# KiCad board bldc_controller.kicad_pcb (continued)
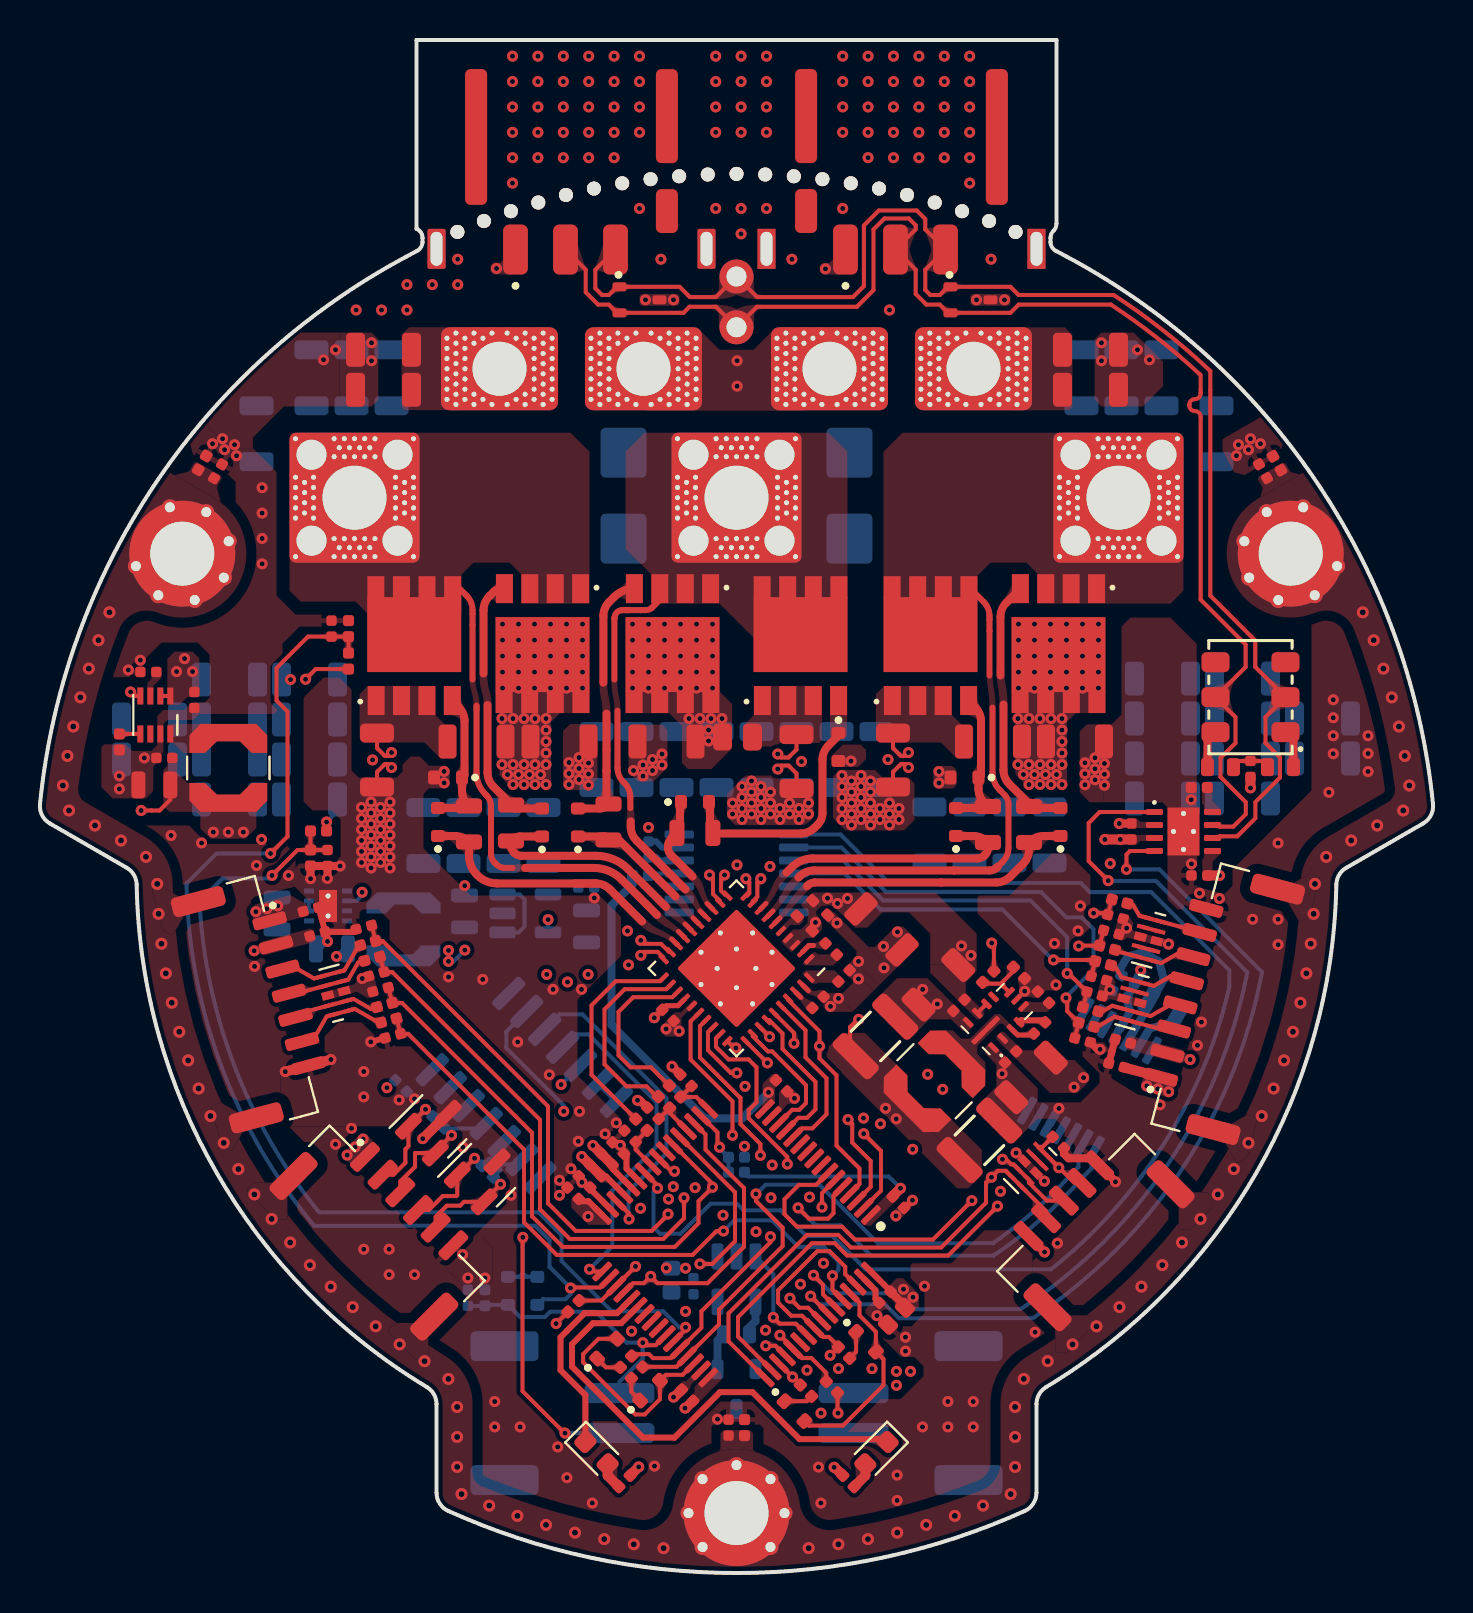
[diagram p0: board, top side]
## Copper pours and planes (outline as drawn; the poured copper is in the pictures) (continued)
GND on Top: 29.52,20.94 29.52,21.14 29.26,21.4 29.26,21.81 29.54,22.09 29.54,22.21 28.94,22.81 28.69,22.81 27.95,22.07 27.95,21.86 29.14,20.67 29.25,20.67
GND on Top: 57.46,33.36 57.7,34.23 57.87,34.33 59.22,33.97 59.33,33.77 59.09,32.87 57.5,33.3
GND on Top: 45.83,39.42 45.65,39.25 44.8,39.25 44.68,39.37 44.68,40.25 44.8,40.37 45.63,40.37 45.83,40.17
GND on Top: 48.85,28.9 48.96,29.01 48.96,29.47 48.9,29.53 48.9,29.79 49.2,30.09 49.29,30.09 50.21,29.17 50.21,29.05 49.93,28.77 49.66,28.77 49.62,28.81 49.12,28.81 49.03,28.72
GND on Top: 4.29,41.46 4.62,41.13 5.85,41.13 5.92,41.07 5.92,40.6 5.66,40.34 5.66,39.12 5.3,38.76 3.63,38.76 3.07,39.32 3.07,41.32 3.21,41.46
GND on Top: 53.97,32.99 54.04,33.03 54.43,32.92 54.67,32.51 54.6,32.27 54.68,32.13 56.28,31.7 56.41,31.77 56.65,31.71 56.73,31.56 56.65,31.24 56.49,31.15 56.25,31.22 56.19,31.31 54.39,31.79 54.12,31.64 53.7,31.75 53.66,31.83
GND on Top: 55.36,28.64 53.85,29.04 53.7,29.3 53.78,29.58 53.63,29.84 53.2,29.95 53.11,29.9 52.8,28.76 52.85,28.69 53.26,28.58 53.51,28.72 55.26,28.25
GND on Top: 51.43,36 52.53,34.9 52.53,32.3 51.43,31.2 50.58,31.2 50.23,30.85 50.23,30.35 51.08,29.5 51.08,29.3 50.93,29.15 50.31,29.15 50.21,29.05 49.23,30.03 49.23,30.65 46.88,33 46.88,33.8 46.98,33.9 48.48,33.9 50.58,36
GND on Top: 20.48,39.43 20.31,39.26 19.46,39.26 19.33,39.38 19.33,40.26 19.46,40.38 20.28,40.38 20.48,40.18
GND on Top: 30.33,62.3 32.88,62.3 33.98,61.2 35.68,61.2 36.78,62.3 38.23,62.3 38.23,58.2 38.18,58.15 30.33,58.15
GND on Top: 42.55,12.8 43,12.35 43.58,12.35 44.23,13 44.23,14.05 43.53,14.75 43.53,15.4 43.63,15.5 45.58,15.5 47.23,17.15 48.53,17.15 49.63,16.05 49.63,14.9 48.83,14.1 48.83,13.6 50.53,11.9 50.53,3.5 47.33,0.3 39.88,0.3 36.18,4 36.18,7.25 36,7.43 36,7.93 36.13,8.05 37.83,6.35 39.68,6.35 42.03,8.7 43.03,8.7 44.18,9.85 44.18,10.35 43.73,10.8 43.08,10.8 42.15,11.73 42.15,12.4
GND on Top: 53.17,38.56 56.12,38.56 56.38,38.3 57.63,38.3 57.84,38.51 57.84,46.49 56.53,47.8 54.53,47.8 54.08,47.35 54.08,42.95 53.17,42.04
GND on Top: 52.74,58.7 52.74,61.72 53.08,62.06 54.69,62.06 56.16,60.59 56.16,59.38 55.14,58.36 53.08,58.36
GND on Top: 46.53,63.9 46.63,64 48.43,64 48.53,63.9 48.53,63.5 48.43,63.4 46.63,63.4 46.53,63.5
GND on Top: 29.98,63.9 30.08,64 31.88,64 31.98,63.9 31.98,63.5 31.88,63.4 30.08,63.4 29.98,63.5
GND on Top: 31.02,27.32 31.02,27.11 31.29,26.84 32.09,26.84 32.24,26.99 32.24,27.22 32.08,27.38 32.08,27.73 31.76,28.05 31.75,28.05
GND on Top: 40.75,30.8 40.83,30.88 40.83,31.13 39.08,32.88 39.4,33.2 39.55,33.2 42.25,30.5 42.25,29.7 41.95,29.4 40.75,30.6
GND on Top: 41.75,40.18 42.13,39.8 43.43,39.8 43.73,39.5 43.73,37.68 43.2,37.15 40.28,37.15 39.65,37.78 39.65,39.85 39.98,40.18
GND on Top: 31.55,27.84 31.76,28.05 32.05,28.05 32.65,28.65 32.74,28.65 32.87,28.52 32.87,28.47 32.49,28.09 32.38,28.09 32.08,27.79 32.08,27.64 31.91,27.47 31.55,27.83
GND on Top: 21.14,16.82 22.1,16.82 22.62,16.3 22.62,14.7 22.21,14.29 21.27,14.29 20.29,15.27 20.29,15.96
GND on Top: 12.23,25.4 12.78,25.4 10.54,33.09 10.54,33.64 10.74,33.84 12.78,34.35 12.78,35.95 12.25,36.48 8.38,36.48 7.45,37.4 4.78,37.4 3.18,35.8 3.18,26.8 7.03,22.95 11.88,22.95 12.58,23.65 12.58,25.05
GND on Top: 39.65,40.32 39.58,40.4 39.58,40.87 40.15,41.45 41.03,41.45 41.3,41.18 41.3,40.73 40.9,40.33
GND on Top, Bottom: 9.43,54.93 9.95,55.07 10.64,56.27 10.52,56.73 8.49,57.91 7.99,57.77 7.43,56.8 7.65,55.96
GND on Top, Bottom: 60.23,54.93 59.71,55.07 59.13,56.15 59.13,56.73 61.17,57.91 61.66,57.77 62.23,56.8 62,55.96
GND on Bottom: 13.26,60.37 17.85,60.37 18.43,60.95 18.43,62.25 17.88,62.8 13.93,62.8 12.78,61.65 12.78,60.85
GND on Bottom: 60.23,54.93 58.24,54.93 57.96,55.21 57.96,56.35 58.34,56.73 59.13,56.73 60.23,55.64
GND on Bottom: 18.43,62.25 18.43,62.7 19.13,63.4 26.68,63.4 27.28,62.8 27.28,61.75 33.13,61.75 33.13,64.25 31.03,66.35 17.48,66.35 13.93,62.8 14.48,62.25
GND on Bottom: 42.38,58.6 42.38,58.25 41.63,57.5 41.63,55.15 39.33,55.15 39.33,57.5 38.63,58.2 38.63,58.6
GND on Bottom: 64.62,46.15 64.17,45.7 64.17,40.15 67.68,36.64 71.01,36.64 71.63,37.26 71.63,45.66 71.14,46.15
GND on Bottom: 44.75,31.46 45.38,32.08 46.7,32.08 50.18,28.6 50.9,28.6 51.47,29.17 51.47,29.21 47.93,32.75 44.38,32.75 44.38,31.83
GND on Bottom: 37.38,6.2 42.53,6.2 42.83,6.5 42.83,7.9 45.23,10.3 47.98,10.3 48.13,10.15 48.13,6 47.88,5.75 44.53,5.75 44.18,5.4 44.18,0.6 43.38,-0.2 39.03,-0.2 36.63,2.2 36.63,5.45
GND on Bottom: 32.35,38.13 32.58,37.9 32.58,32.6 32.43,32.45 29.38,32.45 29.08,32.15 29.08,28 33.73,23.35 34.78,23.35 36.13,24.7 36.78,24.7 37.13,24.35 37.13,23.7 34.98,21.55 34.98,21.25 35.88,20.35 42.88,20.35 43.63,19.6 43.63,19.15 43.18,18.7 42.53,18.7 42.03,19.2 41.18,19.2 40.88,18.9 40.88,18.55 42.58,16.85 48.68,16.85 51.98,20.15 51.98,20.75 50.58,22.15 49.73,22.15 48.98,22.9 48.98,23.05 49.53,23.6 49.53,23.89 44.1,29.32 44.1,30.81 44.99,31.7 44.99,32.24 44.48,32.75 41.83,32.75 40.03,34.55 38.88,34.55 38.73,34.4 38.73,32.95 38.38,32.6 37.33,32.6 37.08,32.85 37.08,37.8 37.63,38.35 32.58,38.35
GND on Bottom: 49.52,29.26 53.34,25.44 53.34,24.41 52.4,23.47 50.81,23.47 50.38,23.04 50.38,22.5 51.63,21.25 53.03,21.25 53.03,20 50.43,17.4 50.43,16.75 51.13,16.05 51.98,16.05 55.73,19.8 57.73,22.3 58.83,24.9 59.63,27.55 59.63,29.3 55.33,33.6 53.78,33.6 53.28,33.1 53.28,31.9 53.68,31.5 55.78,31.5 56.67,30.61 56.67,29.59 56.37,29.26
GND on Bottom: 25.23,10 25.78,10.55 25.78,11.8 26.58,12.6 27.63,12.6 28.68,11.55 28.68,10.5 28.08,9.9 27.23,9.9 26.88,9.55 26.88,6.4 27.13,6.15 30.83,6.15 31.23,6.55 31.23,11.55 31.38,11.7 32.68,11.7 33.13,11.25 33.13,9.3 34.13,8.3 34.13,0.6 32.58,-0.95 27.68,-0.95 25.78,0.95 25.78,5.45 24.93,6.3 19.63,6.3 18.28,7.65 18.28,9 19.28,10
GND on Bottom: 21.28,13.91 22.39,13.91 22.53,14.05 22.53,14.92 22.4,15.05 21.26,15.05 21.13,14.92 21.13,14.06
GND on Bottom: 11.59,30.55 11.18,30.96 11.18,32.45 11.48,32.75 13.76,32.75 13.96,32.95 13.96,33.82 13.83,33.95 13.2,33.95 13.2,34.25 15.6,34.25 15.6,34 15.03,34 14.85,33.82 14.85,32.43 14.15,31.73 14.15,30.68 14.02,30.55
GND on Bottom: 21.38,27.6 25.53,23.45 25.53,22.85 25.88,22.5 26.43,22.5 26.69,22.76 26.69,23.07 26.97,23.35 29.54,23.35 30.43,22.46 30.43,21.6 27.23,18.4 26.28,18.4 21.68,23 21.68,25 20.33,26.35 19.68,26.35 18.98,25.65 17.73,25.65 16.78,24.7 16.78,24.05 17.18,23.65 18.33,23.65 18.58,23.9 18.79,23.69 18.79,22.59 20.08,21.3 20.73,21.3 21.03,21.6 21.23,21.6 21.43,21.4 21.43,21.1 21.18,20.85 21.18,20.25 22.48,18.95 23.23,18.95 23.48,19.2 23.73,19.2 23.93,19 23.93,18.75 23.73,18.55 13.38,18.55 11.43,20.5 10.03,23.15 9.03,25.7 9.03,26.95 9.68,27.6
GND on Bottom: 56.4,60.37 51.81,60.37 51.23,60.95 51.23,62.25 51.78,62.8 55.73,62.8 56.88,61.65 56.88,60.85
GND on Bottom: 23.62,32.7 22.22,32.7 21.57,33.35 20.72,33.35 20.54,33.53 20.54,34.23 20.72,34.4 21.84,34.4 22.02,34.23 22.02,33.88 22.59,33.3 23.62,33.3
GND on Bottom: 27.44,33.93 27.02,33.5 26.27,33.5 26.04,33.28 26.04,33 26.24,32.8 28.04,32.8 28.17,32.93 28.17,34.48 28.07,34.58 27.52,34.58 27.44,34.5
GND on Bottom: 23.18,17.05 23.53,16.7 23.53,15.9 23.08,15.45 22.78,15.45 22.53,15.2 22.53,14.92 21.51,13.9 20.98,13.9 20.58,13.5 20.58,12.05 20.33,11.8 14.93,11.8 12.08,14.65 12.08,15.2 13.93,17.05
GND on Bottom: 59.05,38.98 60.83,37.2 62.48,37.2 64.17,38.89 64.17,40.15 67.43,36.89 67.43,33.55 64.78,30.9 61.08,30.9 56.73,35.25 56.73,36.65
GND on Bottom: 27.28,58.6 27.28,58.25 28.03,57.5 28.03,55.15 30.33,55.15 30.33,57.5 31.03,58.2 31.03,58.6
GND on Bottom: 35.58,10.7 36.43,10.7 37.63,11.9 37.63,12.3 38.33,13 42.03,13 42.73,12.3 43.63,12.3 43.83,12.1 43.83,11.2 43.38,10.75 42.53,10.75 41.73,9.95 38.78,9.95 38.43,9.6 38.43,9.1 36.08,9.1 35.48,9.7 35.48,10.6
GND on Bottom: 9.43,54.93 11.42,54.93 11.7,55.21 11.7,56.35 11.32,56.73 10.52,56.73 9.43,55.64
GND on Bottom: 5.04,46.15 5.49,45.7 5.49,40.15 1.98,36.64 -1.35,36.64 -1.97,37.26 -1.97,45.66 -1.48,46.15
GND on Bottom: 34.53,15.95 34.53,15.2 34.28,14.95 32.98,14.95 32.28,15.65 31.23,15.65 31.13,15.55 31.13,14.9 31.28,14.75 32.08,14.75 32.38,14.45 34.93,14.45 35.13,14.65 35.13,15.9 35.08,15.95
GND on Bottom: 30.17,36.63 30.17,37.05 30.11,37.11 29.37,37.11 29.37,37.71 29.46,37.79 30.75,37.79 30.91,37.63 30.91,37.41 30.69,37.19 30.69,36.63
GND on Bottom: 57.03,45.5 57.13,45.6 59.08,45.6 59.23,45.45 59.23,36.05 58.38,35.2 56.78,35.2 56.13,35.85 53.33,35.85 52.28,34.8 42.73,34.8 40.13,37.4 29.78,37.4 27.28,34.9 13.33,34.9 10.38,37.85 10.38,45.45 10.48,45.55 12.48,45.55 12.58,45.45 12.58,38.4 14.08,36.9 15.58,36.9 15.78,37.1 15.78,38.6 16.08,38.9 17.58,38.9 17.78,38.7 17.78,37.3 18.18,36.9 26.08,36.9 26.63,37.45 26.63,38.65 26.08,39.2 26.08,40.6 26.53,41.05 42.58,41.05 42.98,40.65 42.98,37.2 43.28,36.9 51.63,36.9 51.98,37.25 51.98,41.1 52.48,41.6 53.23,41.6 53.53,41.3 53.53,37.55 53.83,37.25 55.68,37.25 57.03,38.6
GND on Bottom: 26.69,23.74 26.69,23.07 28.65,21.11 29.08,21.11 30.43,22.46 30.43,23.4 28.45,25.37 28.31,25.37
GND on Bottom: 56.99,28.54 58.42,27.71 58.51,27.37 58.08,26.64 57.74,26.54 56.31,27.37
GND on Bottom: 51.23,62.25 51.23,62.7 50.53,63.4 42.98,63.4 42.38,62.8 42.38,61.75 36.53,61.75 36.53,64.25 38.63,66.35 52.18,66.35 55.73,62.8 55.18,62.25
GND on Bottom: 18.29,24.41 18.46,24.41 19.02,23.85 19.02,23.61 18.79,23.38 17.87,23.38 17.68,23.57 17.68,23.81 17.69,23.81
GND on Bottom, In2.Cu, In3.Cu: 23.88,66.1 18.28,66.1 17.68,66.7 17.68,76.65 18.53,77.5 50.88,77.5 51.58,76.8 51.58,66.55 51.03,66 45.58,66 42.38,62.8 42.38,61.65 28.33,61.65
GND on Bottom, In2.Cu, In3.Cu: 27.28,58.2 42.08,58.2 42.08,62.85 27.28,62.85
GND on In1.Cu, In2.Cu, In3.Cu, In4.Cu: 13.65,38.63 14.75,38.63 15.23,38.15 15.23,37.15 14.8,36.73 13.8,36.73 13.38,37.15 13.38,38.35
GND on In1.Cu, In4.Cu: 15.93,79.7 51.93,79.7 73.43,58.2 73.43,19.2 51.43,-2.8 17.93,-2.8 -3.07,18.2 -3.07,60.7
GND on In2.Cu: 18.58,49.85 19.03,49.4 19.03,43.65 18.63,43.25 17.83,43.25 15.33,45.75 13.28,45.75 10.28,48.75 10.28,49.05 11.08,49.85
GND on In2.Cu: 36.18,39.95 36.78,39.35 38.98,39.35 39.83,40.2 41.58,40.2 43.23,38.55 43.23,37.8 42.58,37.15 34.93,37.15 34.33,37.75 34.33,38.9 35.38,39.95
GND on In2.Cu: 54.68,49.95 54.13,49.4 54.13,43.84 53.43,43.14 52.42,43.14 52.01,42.73 52.01,38.83 51.38,38.2 45.38,38.2 44.9,37.72 44.9,36.6 44.06,35.76 36.99,35.76 36.63,35.4 36.63,34.45 36.36,34.18 33.3,34.18 32.88,34.6 32.88,35.25 32.12,36.01 32.12,39.18 32.84,39.9 33.48,39.9 34.18,40.6 34.18,41 33.93,41.25 26.57,41.25 26.2,40.88 26.2,38.86 25.51,38.17 20.25,38.17 20.13,38.05 20.13,37.35 24.23,33.25 25.68,33.25 26.78,32.15 30.28,32.15 30.78,31.65 30.78,30.55 32.78,28.55 32.78,24.65 33.73,23.7 33.73,22.4 29.83,18.5 28.68,18.5 26.68,20.5 26.43,20.5 25.63,19.7 25.63,17 24.78,16.15 23.68,16.15 22.83,17 22.83,19.8 26.03,23 26.03,27.35 24.13,29.25 24.13,29.85 23.33,30.65 22.38,30.65 17.78,35.25 17.78,39.2 16.88,40.1 16.88,42.43 15.11,44.2 12.93,44.2 12.73,44 12.73,26.25 18.28,20.7 18.28,17 24.98,10.3 28.13,10.3 31.49,13.66 32.59,13.66 32.92,13.33 32.92,11.2 35.81,8.31 40.73,8.31 41.93,9.51 41.93,14.8 43.18,16.05 43.23,16.05 43.53,16.35 43.53,19.85 41.28,22.1 41.28,23.4 41.83,23.95 42.83,23.95 46.18,20.6 46.18,19.8 46.43,19.55 46.48,19.55 48.43,21.5 50.53,21.5 51.33,20.7 52.03,20.7 54.58,23.25 54.58,35.2 53.98,35.8 53.04,35.8 52.54,36.3 52.54,37.17 52.9,37.53 55.42,37.53 56.91,36.04 56.91,28.31 61.57,23.65 65.83,23.65 71.53,29.35 71.53,47.1 68.68,49.95
GND on In2.Cu, In3.Cu: 12.88,49.85 12.43,49.85 11.83,50.45 11.83,57.4 12.58,58.15 17.68,58.15 19.13,59.6 19.13,62.3 20.08,63.25 26.83,63.25 27.28,62.8 27.93,62.8 28.98,63.85 26.03,66.8 14.33,66.8 3.18,55.65 3.18,48.75 5.43,46.5 9.53,46.5
GND on In2.Cu, In3.Cu: 56.78,49.85 57.23,49.85 57.83,50.45 57.83,57.4 57.08,58.15 51.98,58.15 50.53,59.6 50.53,62.3 49.58,63.25 42.83,63.25 42.38,62.8 41.73,62.8 40.68,63.85 43.63,66.8 55.33,66.8 66.48,55.65 66.48,48.75 64.23,46.5 60.13,46.5
GND on In3.Cu: 54.97,36.71 56.17,35.51 57.82,35.51 59.03,36.72 59.03,36.81 58.79,37.05 55.31,37.05
GND on In3.Cu: 2.38,49.85 18.18,49.85 19.29,48.78 19.29,38.91 19.96,38.24 25.56,38.24 26.18,38.86 26.18,40.95 26.47,41.24 44.24,41.24 45.23,40.25 45.23,37.05 43.03,34.85 38.98,34.85 38.34,34.21 38.34,32.94 39.03,32.25 44.48,32.25 48.63,36.4 48.63,37.85 49.03,38.25 51.39,38.25 51.98,38.84 51.98,42.7 52.37,43.09 53.32,43.09 54.18,43.95 54.18,49.2 54.83,49.85 68.03,49.85 71.18,46.7 71.18,38.85 69.01,36.68 50.94,36.68 46.85,32.59 46.85,29.79 41.43,24.37 41.43,22.65 41.33,22.55 40.98,22.55 40.88,22.65 40.88,23 38.78,25.1 38.78,25.5 39.53,26.25 39.58,26.25 39.58,26.7 38.88,27.4 35.03,27.4 33.33,25.7 33.33,22.45 29.68,18.8 28.68,18.8 28.18,19.3 26.78,19.3 25.58,18.1 25.58,17.1 24.83,16.35 23.58,16.35 22.88,17.05 22.88,19.7 25.73,22.55 26.33,22.55 26.73,22.95 26.73,24.7 26.48,24.95 25.78,24.95 25.43,24.6 25.43,24.3 22.43,21.3 22.1,21.3 22.01,21.39 22.01,31.08 18.53,34.56 15.85,34.56 15.53,34.23 15.52,33.17 14.67,32.32 2.41,32.32 -0.97,35.7 -0.97,46.75
/Project Architecture/Interface - Fan Control/FAN_SW on Bottom: 34.83,8.7 36.53,8.7 37.73,7.5 39.4,7.5 39.53,7.38 39.53,6.5 35.85,6.5 34.53,7.83 34.53,8.4
/Project Architecture/Motor Control - Top Level/CPL on Top: 38.75,31.1 38.9,30.95 39.5,30.95 39.65,31.1 40,30.75 40,30.73 39.68,30.4 38.23,30.4 38.13,30.5 38.73,31.1
/Project Architecture/Motor Control - Top Level/GHA on Top: 38.21,34.5 37.98,34.27 37.8,34.06 37.66,33.88 37.55,33.72 37.34,33.41 37.22,33.24 37.08,33.06 36.9,32.86 36.67,32.62 36.66,32.61 36.71,32.49 36.83,32.43 37.08,32.68 37.27,32.87 37.42,33.04 37.55,33.19 37.79,33.47 37.92,33.62 38.08,33.79 38.26,33.99 38.5,34.22 38.64,34.36 38.52,34.53 38.38,34.65
/Project Architecture/Motor Control - Top Level/GHB on Top: 32.99,32.62 32.82,32.79 32.7,32.94 32.6,33.07 32.52,33.19 32.38,33.42 32.3,33.54 32.21,33.67 32.08,33.82 31.92,33.99 31.9,34.01 31.71,33.92 31.61,33.73 31.8,33.54 31.93,33.4 32.04,33.28 32.14,33.17 32.31,32.98 32.4,32.87 32.51,32.75 32.65,32.61 32.81,32.44 32.9,32.35 33,32.43 33.08,32.53
/Project Architecture/Motor Control - Top Level/GHC on Top: 31.16,33.18 31.32,33.03 31.45,32.91 31.57,32.81 31.68,32.73 31.89,32.59 31.99,32.51 32.11,32.42 32.25,32.3 32.42,32.13 32.54,32.19 32.6,32.31 31.3,33.61 31.14,33.49 31.02,33.33
/Project Architecture/Motor Control - Top Level/GLA on Top: 37.19,35.19 36.98,34.97 36.84,34.77 36.73,34.59 36.65,34.43 36.51,34.11 36.43,33.94 36.32,33.76 36.17,33.56 35.97,33.34 35.96,33.33 36.01,33.21 36.13,33.15 36.15,33.17 36.35,33.38 36.51,33.57 36.63,33.74 36.72,33.89 36.89,34.18 36.99,34.34 37.11,34.5 37.27,34.69 37.47,34.91 37.61,35.05 37.49,35.21 37.33,35.33
/Project Architecture/Motor Control - Top Level/GLB on Top: 32.49,34.71 32.66,34.52 32.78,34.36 32.87,34.21 32.94,34.07 33.05,33.8 33.12,33.67 33.21,33.52 33.34,33.35 33.51,33.17 33.52,33.15 33.64,33.21 33.7,33.33 33.69,33.34 33.52,33.53 33.4,33.71 33.32,33.87 33.27,34.02 33.19,34.32 33.13,34.47 33.06,34.63 32.94,34.8 32.77,34.99 32.63,35.13 32.47,35.01 32.34,34.85
/Project Architecture/Motor Control - Top Level/GLC on Top: 29.96,32.46 30.17,32.27 30.36,32.14 30.53,32.04 30.69,31.98 31,31.87 31.17,31.81 31.34,31.71 31.53,31.58 31.73,31.39 31.75,31.38 31.87,31.44 31.92,31.56 31.91,31.57 31.71,31.76 31.53,31.9 31.37,32 31.22,32.09 30.93,32.23 30.79,32.31 30.62,32.41 30.45,32.55 30.24,32.74 30.1,32.88 29.94,32.76 29.82,32.6
/Project Architecture/Motor Control - Top Level/Motor Control - Inverter/FET_GHA on Top: 48.38,43.45 48.37,43.69 48.36,43.89 48.34,44.06 48.32,44.21 48.28,44.48 48.26,44.63 48.24,44.8 48.23,45 48.22,45.25 48.22,45.27 48.03,45.34 47.83,45.27 47.83,45.25 47.84,45 47.85,44.8 47.86,44.63 47.88,44.48 47.93,44.21 47.95,44.06 47.96,43.89 47.97,43.69 47.98,43.45 47.98,43.25 48.18,43.22 48.38,43.25
/Project Architecture/Motor Control - Top Level/Motor Control - Inverter/FET_GHB on Top: 27.98,44.53 27.98,44.32 27.99,44.15 28.01,44 28.03,43.88 28.07,43.65 28.1,43.52 28.11,43.38 28.12,43.21 28.13,43 28.13,42.97 28.33,42.9 28.53,42.97 28.53,43 28.52,43.21 28.51,43.38 28.49,43.52 28.47,43.65 28.42,43.88 28.4,44 28.38,44.15 28.37,44.32 28.37,44.53 28.37,44.72 28.17,44.75 27.98,44.72
/Project Architecture/Motor Control - Top Level/Motor Control - Inverter/FET_GHC on Top: 21.98,44.85 21.99,44.65 22,44.49 22.03,44.36 22.05,44.24 22.11,44.03 22.14,43.91 22.16,43.78 22.17,43.62 22.18,43.43 22.18,43.4 22.38,43.33 22.58,43.4 22.58,43.43 22.57,43.62 22.56,43.78 22.53,43.92 22.51,44.03 22.45,44.24 22.42,44.36 22.39,44.49 22.38,44.65 22.37,44.85 22.37,45.04 22.18,45.07 21.98,45.04
/Project Architecture/Motor Control - Top Level/Motor Control - Inverter/FET_GHC on Bottom: 21.8,38 21.8,38.75 19.7,38.75 19.6,38.65 19.6,38.1 19.7,38
/Project Architecture/Motor Control - Top Level/Motor Control - Inverter/FET_GLB on Top: 39.5,44.38 39.5,41.9 39.68,41.73 40.18,41.73 40.35,41.9 40.35,44.38
/Project Architecture/Motor Control - Top Level/Motor Control - Inverter/PHA on Top: 42.18,48.7 42.18,56.1 43.13,57.05 56.58,57.05 57.18,56.45 57.18,49.15 56.53,48.5 49.88,48.5 49.88,50 49.33,50.55 47.53,50.55 46.88,49.9 46.88,48.7
/Project Architecture/Motor Control - Top Level/Motor Control - Inverter/PHB on Top: 40.38,56.1 39.43,57.05 30.23,57.05 29.28,56.1 29.28,51.25 30.58,49.95 30.58,48.5 33.98,48.5 35.73,46.75 40.38,46.75
/Project Architecture/Motor Control - Top Level/Motor Control - Inverter/PHC on Top: 27.48,48.5 27.48,56.1 26.53,57.05 13.08,57.05 12.48,56.45 12.48,49.15 13.03,48.6 15.78,48.6 16.38,48 21.08,48 21.08,49.95 21.68,50.55 23.48,50.55 24.08,49.95 24.08,48.5
/Project Architecture/Motor Control - Top Level/Motor Control - Inverter/SRC_LS_A on Top: 41.8,41.8 41.8,43.98 42.2,44.38 45.58,44.38 45.58,42.95 46.08,42.45 46.08,40.75 45.85,40.75 45.05,41.55 42.05,41.55
/Project Architecture/Motor Control - Top Level/Motor Control - Inverter/SRC_LS_B on Top: 35.7,44.38 39.1,44.38 39.1,41.68 38.95,41.53 36.98,41.53 36.78,41.35 35.15,41.35 35.15,42.38 35.7,42.93
/Project Architecture/Motor Control - Top Level/Motor Control - Inverter/SRC_LS_C on Top: 15.98,41.8 15.98,43.98 16.38,44.38 19.75,44.38 19.75,42.95 20.25,42.45 20.25,40.75 20.03,40.75 19.23,41.55 16.23,41.55
/Project Architecture/Motor Control - Top Level/SHA on Top: 37.79,34.94 37.56,34.7 37.38,34.49 37.25,34.3 37.15,34.12 36.96,33.79 36.86,33.61 36.72,33.42 36.55,33.21 36.32,32.97 36.31,32.96 36.36,32.84 36.48,32.78 36.5,32.79 36.73,33.03 36.91,33.24 37.05,33.41 37.18,33.57 37.39,33.88 37.51,34.04 37.66,34.22 37.84,34.42 38.07,34.66 38.21,34.8 38.09,34.96 37.94,35.07
/Project Architecture/Motor Control - Top Level/SHB on Top: 32.13,34.06 32.29,33.9 32.41,33.76 32.5,33.64 32.58,33.53 32.71,33.32 32.79,33.21 32.89,33.09 33.01,32.95 33.17,32.78 33.29,32.84 33.35,32.96 33.34,32.97 33.18,33.13 33.07,33.28 32.99,33.41 32.93,33.54 32.82,33.77 32.76,33.9 32.68,34.03 32.57,34.18 32.42,34.34 32.27,34.48 32.11,34.36 31.99,34.2
/Project Architecture/Motor Control - Top Level/SHC on Top: 32.26,31.94 32.1,32.1 31.96,32.23 31.84,32.34 31.73,32.42 31.53,32.58 31.42,32.67 31.3,32.78 31.16,32.91 30.97,33.09 30.78,33 30.69,32.8 30.71,32.78 30.88,32.62 31.03,32.5 31.16,32.41 31.28,32.34 31.51,32.21 31.64,32.14 31.77,32.05 31.92,31.93 32.08,31.77 32.17,31.68 32.27,31.75 32.35,31.85
/Project Architecture/Motor Control - Top Level/VCP on Top: 37.15,32.4 37.85,33.1 38,33.1 38.33,32.78 38.33,32.68 38.08,32.43 37.53,32.43 37.33,32.23
/Project Architecture/Motor Control - Top Level/VGLS on Top: 38.83,29.48 38.88,29.53 39.7,29.53 40.03,29.85 39.73,30.15 38.28,30.15 38.12,29.99 38.63,29.48
/Project Architecture/Power - Generation/ADJ_A3V3 on Bottom: 25.87,34.25 26.19,34.58 27.02,34.58 27.02,34.03 26.39,34.03 26.02,33.65 25.87,33.65
/Project Architecture/Power - Generation/LX_5V on Top: 6.37,42.43 6.42,42.48 8.17,42.48 8.17,41.03 7.17,41.03 6.67,41.53 6.37,41.53
/Project Architecture/Power - Generation/SW_3V3 on Bottom: 15.1,33 16.88,33 17.08,33.2 17.08,33.93 16.95,34.05 16.7,34.05 15.9,33.25 15.1,33.25
/Project Architecture/Power - Generation/SW_12V on Top: 48.71,26.92 48.14,27.48 47.96,27.48 46.87,26.39 46.87,25.96 47.28,25.56 47.28,25.17 47.13,25.03 45.15,27.01 45.3,27.15 45.65,27.15 46.06,26.74 46.52,26.74 47.74,27.96 48.02,27.96 48.88,27.09
CHASSIS on Top: 12.61,20.49 11.66,19.54 10.72,19.54 10.38,19.2 10.38,19.1 11.78,17.69 12.32,17.69 12.37,17.74 12.37,18.84 13.31,19.79 13.31,19.79
CHASSIS on Top: 58.25,22.81 59.54,22.46 60.36,22.93 60.82,22.81 60.87,22.72 60.36,20.8 59.89,20.53 59.82,20.55 59.27,21.5 57.99,21.85 57.99,21.85
CHASSIS on Top: 8.23,34.2 6.94,33.85 6.12,34.32 5.66,34.2 5.61,34.11 6.12,32.19 6.59,31.92 6.66,31.94 7.21,32.89 8.49,33.24 8.49,33.24
CHASSIS on Top: 50.53,13.85 51.48,12.9 52.42,12.9 52.76,12.56 52.76,12.46 51.35,11.05 50.81,11.05 50.76,11.1 50.76,12.2 49.83,13.15 49.83,13.15
CHASSIS on Top: 19.65,13.46 18.7,12.51 17.76,12.51 17.42,12.17 17.42,12.07 18.82,10.66 19.36,10.66 19.41,10.71 19.41,11.81 20.35,12.76 20.35,12.76
CHASSIS on Top: 61.37,34.87 62.67,34.52 63.49,34.99 63.95,34.86 64,34.77 63.49,32.85 63.02,32.58 62.95,32.6 62.4,33.56 61.12,33.91 61.12,33.91
CHASSIS on Top: 56.7,20 57.65,19.05 58.38,19.05 58.65,18.78 58.65,18.33 57.53,17.2 56.99,17.2 56.94,17.25 56.94,18.33 56,19.28 56,19.3
CHASSIS on Top: 60.95,53.53 61.15,54.28 60.9,54.72 60.94,54.85 62.15,55.55 62.28,55.52 62.53,55.08 63.29,54.88
CHASSIS on Top: 11.18,23.4 9.89,23.05 9.07,23.52 8.61,23.4 8.56,23.31 9.07,21.39 9.54,21.12 9.61,21.14 10.16,22.09 11.44,22.44 11.44,22.44
CHASSIS on Top: 6.71,54.92 7.46,55.12 7.71,55.55 7.84,55.59 9.06,54.89 9.09,54.75 8.84,54.32 9.04,53.57
CHASSIS on Top: 35.5,7.15 34.18,7.15 34.03,7 34.03,6.2 33.78,5.95 35.88,5.95 35.65,6.18 35.65,7
CHASSIS on Top, Bottom, In1.Cu, In2.Cu, In3.Cu, In4.Cu: 69.37,38.34 69.36,38.29 69.35,38.24 69.34,38.19 69.33,38.14 69.31,38.1 69.29,38.05 69.27,38.01 69.24,37.97 69.21,37.93 69.17,37.89 69.14,37.85 69.1,37.82 69.06,37.79 69.02,37.76 65.18,35.55 64.53,34.45 64.43,32.54 64.22,30.66 63.88,28.81 63.43,26.99 62.87,25.21 62.21,23.48 61.43,21.79 60.55,20.15 59.58,18.58 58.5,17.06 57.33,15.62 56.07,14.24 54.72,12.94 53.28,11.73 51.76,10.6 50.16,9.57 49.74,9.16 49.7,9.09 49.66,9.02 49.53,8.45 49.53,4.02 49.53,3.97 49.53,3.92 49.52,3.87 49.5,3.82 49.49,3.77 49.47,3.73 49.45,3.68 49.42,3.64 49.39,3.6 49.36,3.56 49.33,3.52 49.29,3.49 49.25,3.46 49.21,3.43 49.17,3.4 49.12,3.38 47.4,2.66 45.66,2.03 43.89,1.51 42.1,1.07 40.3,0.74 38.48,0.5 36.66,0.35 34.83,0.3 33.01,0.35 31.18,0.5 29.37,0.74 27.57,1.07 25.78,1.51 24.01,2.03 22.26,2.66 20.55,3.38 20.13,4.02 20.13,8.45 20.13,8.54 20.12,8.62 20.11,8.7 20.09,8.78 20.07,8.86 20.04,8.94 20,9.02 19.97,9.09 19.92,9.16 19.88,9.23 19.82,9.29 19.77,9.36 19.71,9.41 19.64,9.47 19.58,9.52 19.5,9.57 18.69,10.07 17.9,10.6 17.13,11.15 16.38,11.73 15.65,12.33 14.95,12.94 14.26,13.58 13.6,14.24 12.33,15.62 11.17,17.06 10.09,18.58 9.11,20.15 8.24,21.79 7.46,23.48 6.79,25.21 6.23,26.99 6,27.9 5.79,28.81 5.6,29.73 5.45,30.66 5.33,31.6 5.24,32.54 5.17,33.49 5.14,34.45 5.13,34.53 5.12,34.62 5.11,34.7 5.09,34.78 5.06,34.86 5.03,34.94 5,35.01 4.96,35.08 4.91,35.15 4.87,35.22 4.81,35.28 4.76,35.34 4.69,35.4 4.63,35.45 4.56,35.5 4.49,35.55 0.65,37.76 0.3,38.44 0.43,39.56 0.6,40.67 0.8,41.77 1.04,42.87 1.31,43.95 1.61,45.03 1.95,46.1 2.33,47.15 2.74,48.19 3.18,49.22 3.65,50.23 4.16,51.23 4.7,52.21 5.27,53.17 5.88,54.12 6.51,55.05 8.72,53.77 8.85,53.69 8.98,53.61 9.11,53.51 9.22,53.42 9.34,53.31 9.44,53.21 9.54,53.1 9.64,52.98 9.73,52.86 9.81,52.74 9.89,52.61 9.96,52.48 10.02,52.35 10.08,52.21 10.14,52.08 10.18,51.94 10.22,51.8 10.25,51.65 10.28,51.51 10.3,51.36 10.31,51.21 10.32,51.07 10.32,50.92 10.31,50.77 10.3,50.62 10.28,50.47 10.25,50.32 10.21,50.18 10.17,50.03 10.12,49.88 10.06,49.74 10,49.6 9.92,49.46 9.84,49.32 9.76,49.19 9.67,49.07 9.58,48.95 9.48,48.84 9.37,48.73 9.27,48.63 9.15,48.53 9.04,48.44 8.91,48.35 8.79,48.27 8.66,48.2 8.53,48.13 8.4,48.07 8.26,48.01 8.12,47.96 7.98,47.92 7.84,47.89 7.7,47.86 7.55,47.83 7.4,47.82 7.26,47.81 7.11,47.8 6.96,47.81 6.81,47.82 6.66,47.84 6.51,47.86 6.36,47.9 6.21,47.94 6.06,47.98 5.85,48.07 5.77,48.09 5.7,48.11 5.63,48.12 5.56,48.14 5.48,48.14 5.41,48.15 5.34,48.15 5.26,48.15 5.19,48.14 5.12,48.13 5.04,48.12 4.97,48.1 4.9,48.08 4.83,48.06 4.76,48.03 4.69,48 4.63,47.96 4.56,47.93 4.5,47.89 4.44,47.84 4.38,47.8 4.33,47.75 4.28,47.7 4.23,47.64 4.18,47.58 4.13,47.53 4.09,47.46 4.05,47.4 4.02,47.34 3.98,47.27 3.96,47.2 3.59,46.24 3.26,45.28 2.96,44.3 2.69,43.31 2.45,42.32 2.24,41.32 2.06,40.31 1.91,39.3 1.91,39.25 1.91,39.19 1.91,39.13 1.92,39.08 1.93,39.03 1.94,38.97 1.96,38.92 1.98,38.87 2.01,38.82 2.04,38.78 2.07,38.73 2.11,38.69 2.15,38.65 2.19,38.62 2.23,38.59 2.28,38.56 5.24,36.85 5.32,36.8 5.39,36.75 5.47,36.7 5.54,36.65 5.61,36.59 5.68,36.53 5.75,36.47 5.81,36.41 5.88,36.34 5.94,36.28 5.99,36.21 6.05,36.14 6.1,36.07 6.16,36 6.2,35.92 6.25,35.85 6.29,35.77 6.34,35.69 6.38,35.61 6.41,35.53 6.45,35.45 6.48,35.36 6.51,35.28 6.53,35.19 6.56,35.1 6.58,35.02 6.59,34.93 6.61,34.84 6.62,34.75 6.63,34.66 6.64,34.57 6.64,34.48 6.73,32.67 6.94,30.88 7.25,29.12 7.68,27.4 8.21,25.71 8.84,24.06 9.58,22.46 10.41,20.9 11.34,19.41 12.36,17.97 13.47,16.59 14.67,15.29 15.95,14.06 17.32,12.9 18.76,11.83 20.28,10.85 20.36,10.8 20.43,10.75 20.51,10.7 20.58,10.64 20.65,10.58 20.72,10.52 20.78,10.46 20.85,10.4 20.91,10.33 20.97,10.27 21.02,10.2 21.08,10.13 21.13,10.05 21.18,9.98 21.27,9.83 21.35,9.67 21.39,9.59 21.43,9.51 21.46,9.42 21.49,9.34 21.52,9.26 21.54,9.17 21.56,9.08 21.58,8.99 21.6,8.91 21.61,8.82 21.62,8.73 21.63,8.63 21.63,8.54 21.63,8.45 21.63,5.04 21.64,4.98 21.64,4.92 21.65,4.87 21.67,4.82 21.68,4.77 21.71,4.72 21.73,4.67 21.76,4.62 21.79,4.58 21.83,4.53 21.86,4.5 21.91,4.46 21.95,4.43 22,4.39 22.04,4.37 22.1,4.34 23.05,3.97 24.01,3.62 24.98,3.3 25.96,3.01 26.95,2.75 27.94,2.53 28.95,2.33 29.96,2.16 30.03,2.15 30.11,2.15 30.18,2.15 30.25,2.15 30.33,2.15 30.4,2.16 30.47,2.18 30.55,2.19 30.62,2.21 30.69,2.24 30.76,2.26 30.82,2.29 30.89,2.33 30.95,2.36 31.02,2.4 31.08,2.45 31.14,2.49 31.19,2.54 31.25,2.59 31.3,2.65 31.34,2.7 31.39,2.76 31.43,2.82 31.47,2.89 31.51,2.95 31.54,3.02 31.57,3.08 31.59,3.15 31.62,3.22 31.64,3.29 31.65,3.37 31.69,3.59 31.72,3.73 31.75,3.88 31.8,4.01 31.85,4.15 31.9,4.28 31.96,4.41 32.03,4.54 32.1,4.66 32.17,4.78 32.26,4.9 32.34,5.01 32.43,5.12 32.53,5.22 32.63,5.32 32.73,5.42 32.84,5.51 32.95,5.59 33.07,5.67 33.19,5.75 33.31,5.82 33.43,5.88 33.56,5.94 33.7,5.99 33.83,6.04 33.97,6.08 34.11,6.12 34.25,6.15 34.39,6.17 34.54,6.19 34.68,6.2 34.83,6.2 34.98,6.2 35.13,6.19 35.28,6.17 35.42,6.15 35.56,6.12 35.7,6.08 35.84,6.04 35.97,5.99 36.1,5.94 36.23,5.88 36.36,5.82 36.48,5.75 36.6,5.67 36.72,5.59 36.83,5.51 36.94,5.42 37.04,5.32 37.14,5.22 37.23,5.12 37.33,5.01 37.41,4.9 37.49,4.78 37.57,4.66 37.64,4.54 37.71,4.41 37.77,4.28 37.82,4.15 37.87,4.01 37.91,3.88 37.95,3.73 37.98,3.59 38.02,3.37 38.03,3.29 38.05,3.22 38.07,3.15 38.1,3.08 38.13,3.02 38.16,2.95 38.2,2.89 38.24,2.82 38.28,2.76 38.32,2.7 38.37,2.65 38.42,2.59 38.48,2.54 38.53,2.49 38.59,2.45 38.65,2.4 38.71,2.36 38.78,2.33 38.84,2.29 38.91,2.26 38.98,2.24 39.05,2.21 39.12,2.19 39.19,2.18 39.27,2.16 39.34,2.15 39.41,2.15 39.49,2.15 39.56,2.15 39.64,2.15 39.71,2.16 40.66,2.32 41.59,2.5 42.53,2.71 43.46,2.94 44.38,3.2 45.29,3.49 46.19,3.81 47.09,4.15 47.14,4.17 47.19,4.19 47.24,4.22 47.29,4.25 47.34,4.28 47.39,4.31 47.43,4.34 47.48,4.37 47.52,4.41 47.56,4.45 47.6,4.49 47.64,4.53 47.67,4.57 47.71,4.61 47.74,4.65 47.77,4.7 47.8,4.75 47.83,4.79 47.86,4.84 47.88,4.89 47.91,4.94 47.93,4.99 47.95,5.04 47.97,5.1 47.98,5.15 48,5.2 48.01,5.26 48.02,5.31 48.02,5.37 48.03,5.43 48.03,5.48 48.03,5.54 48.03,8.45 48.04,8.63 48.06,8.82 48.09,8.99 48.13,9.17 48.18,9.34 48.24,9.51 48.31,9.67 48.4,9.83 48.49,9.98 48.59,10.13 48.7,10.27 48.82,10.4 48.95,10.52 49.09,10.64 49.23,10.75 49.39,10.85 50.16,11.33 50.91,11.83 51.64,12.36 52.35,12.9 53.04,13.47 53.72,14.06 54.37,14.66 55,15.29 56.2,16.59 57.31,17.97 58.33,19.41 59.26,20.9 60.09,22.46 60.82,24.06 61.46,25.71 61.99,27.4 62.22,28.26 62.41,29.12 62.59,30 62.73,30.88 62.85,31.77 62.94,32.67 63,33.57 63.03,34.48 63.04,34.66 63.06,34.84 63.09,35.02 63.14,35.19 63.19,35.36 63.26,35.53 63.33,35.69 63.42,35.85 63.51,36 63.62,36.14 63.73,36.28 63.85,36.41 63.99,36.53 64.12,36.65 64.27,36.75 64.43,36.85 67.39,38.56 67.75,39.3 67.61,40.31 67.43,41.32 67.22,42.32 66.98,43.31 66.71,44.3 66.4,45.28 66.07,46.24 65.71,47.2 65.68,47.27 65.65,47.34 65.61,47.4 65.58,47.46 65.53,47.53 65.49,47.58 65.44,47.64 65.39,47.7 65.34,47.75 65.28,47.8 65.23,47.84 65.17,47.89 65.11,47.93 65.04,47.96 64.97,48 64.91,48.03 64.84,48.06 64.77,48.08 64.7,48.1 64.62,48.12 64.55,48.13 64.48,48.14 64.4,48.15 64.33,48.15 64.26,48.15 64.18,48.14 64.11,48.14 64.04,48.12 63.96,48.11 63.89,48.09 63.82,48.07 63.61,47.98 63.46,47.94 63.31,47.9 63.16,47.86 63.01,47.84 62.86,47.82 62.71,47.81 62.56,47.8 62.41,47.81 62.26,47.82 62.12,47.83 61.97,47.86 61.83,47.89 61.68,47.92 61.54,47.96 61.4,48.01 61.27,48.07 61.14,48.13 61,48.2 60.88,48.27 60.75,48.35 60.63,48.44 60.51,48.53 60.4,48.63 60.29,48.73 60.19,48.84 60.09,48.95 60,49.07 59.91,49.19 59.82,49.32 59.74,49.46 59.67,49.6 59.61,49.74 59.55,49.88 59.5,50.03 59.45,50.18 59.42,50.32 59.39,50.47 59.37,50.62 59.35,50.77 59.35,50.92 59.35,51.07 59.35,51.21 59.37,51.36 59.39,51.51 59.41,51.65 59.45,51.8 59.49,51.94 59.53,52.08 59.58,52.21 59.64,52.35 59.71,52.48 59.78,52.61 59.86,52.74 59.94,52.86 60.03,52.98 60.12,53.1 60.22,53.21 60.33,53.31 60.44,53.42 60.56,53.51 60.68,53.61 60.81,53.69 60.95,53.77 63.16,55.05 63.79,54.12 64.4,53.17 64.97,52.21 65.51,51.23 66.01,50.23 66.49,49.22 66.93,48.19 67.34,47.15 67.71,46.1 68.05,45.03 68.36,43.95 68.63,42.87 68.87,41.77 69.07,40.67 69.23,39.56 69.36,38.44 69.37,38.39
CHASSIS on Bottom: 22.55,10.6 21.73,10.6 21.63,10.5 21.63,8.45 20.3,9.78 20.3,10.8 20.75,10.8 20.75,10.8 21,11.05 21,11.83 21.28,12.1 22.55,12.1
CHASSIS on Bottom: 24.93,3.45 25.13,3.25 25.13,3 21.98,3 21.23,3.75 21.23,5.7 21.33,5.8 21.5,5.8 21.9,5.4 24.65,5.4 24.93,5.13
CHASSIS on Bottom: 47.1,10.6 47.93,10.6 48.03,10.5 48.03,8.45 49.35,9.78 49.35,10.8 48.9,10.8 48.9,10.8 48.65,11.05 48.65,11.82 48.38,12.1 47.1,12.1
CHASSIS on Bottom: 44.73,3.45 44.53,3.25 44.53,3 47.68,3 48.43,3.75 48.43,5.7 48.33,5.8 48.15,5.8 47.75,5.4 45,5.4 44.73,5.13

Small or netless copper shapes (teardrops, artwork), in the pictures only: 355 on Top, 86 on Bottom, 22 on In2.Cu, 40 on In3.Cu
